# KiCad board lagom.kicad_pcb
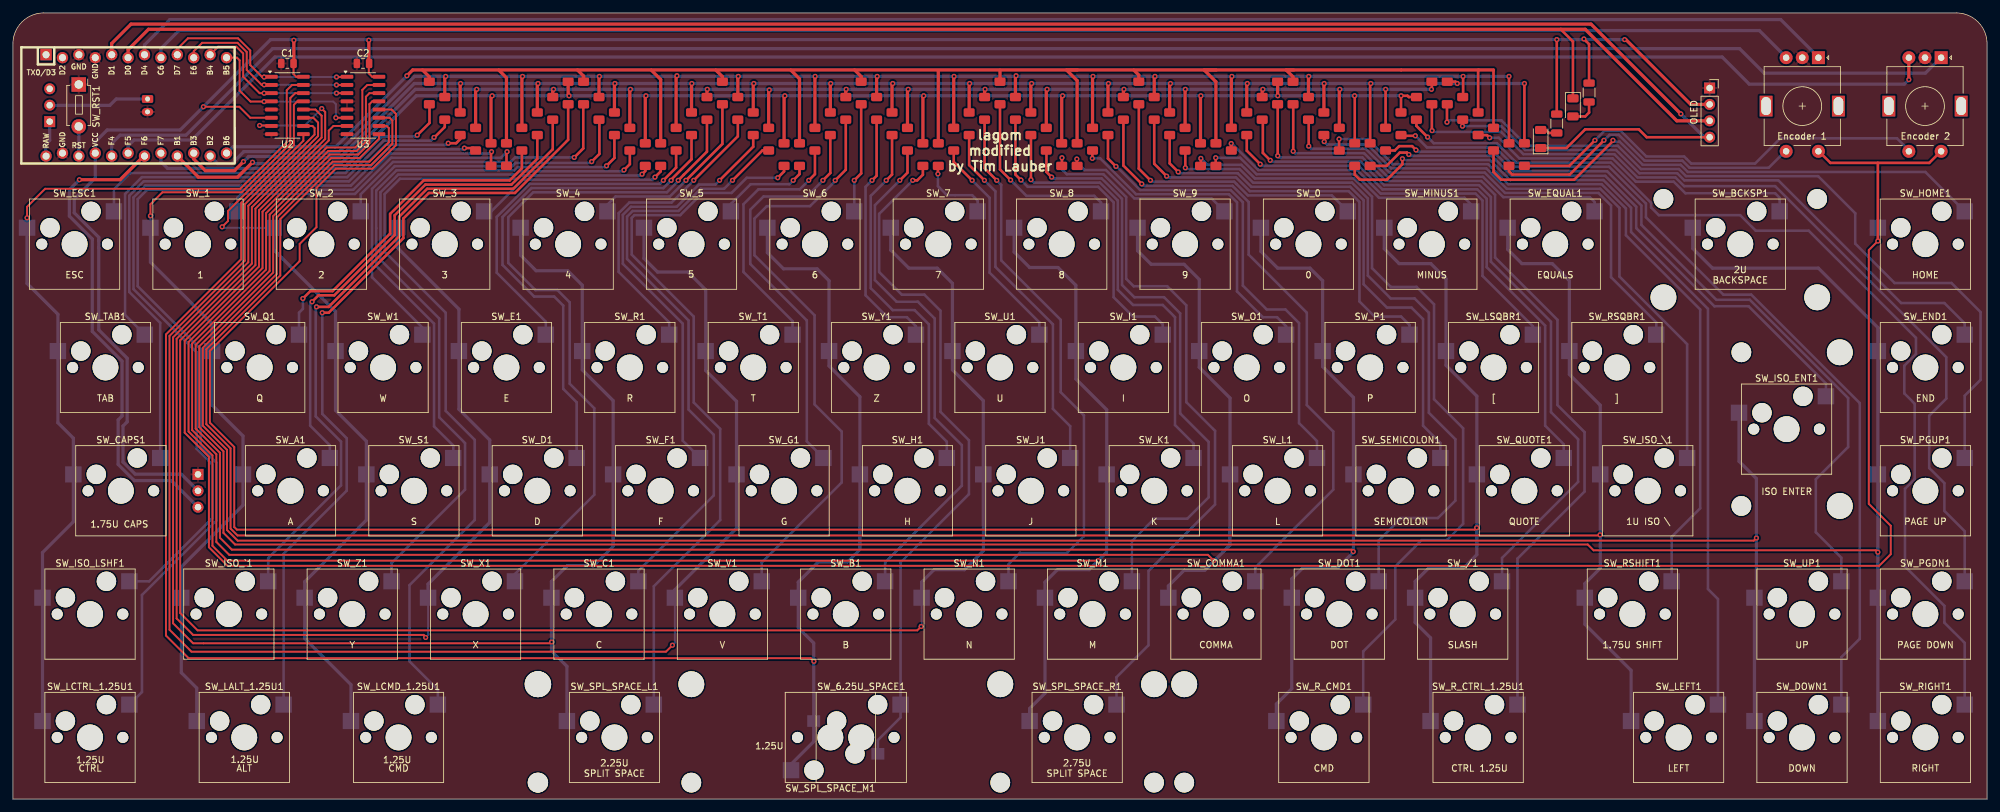
[diagram p0: board, top side]
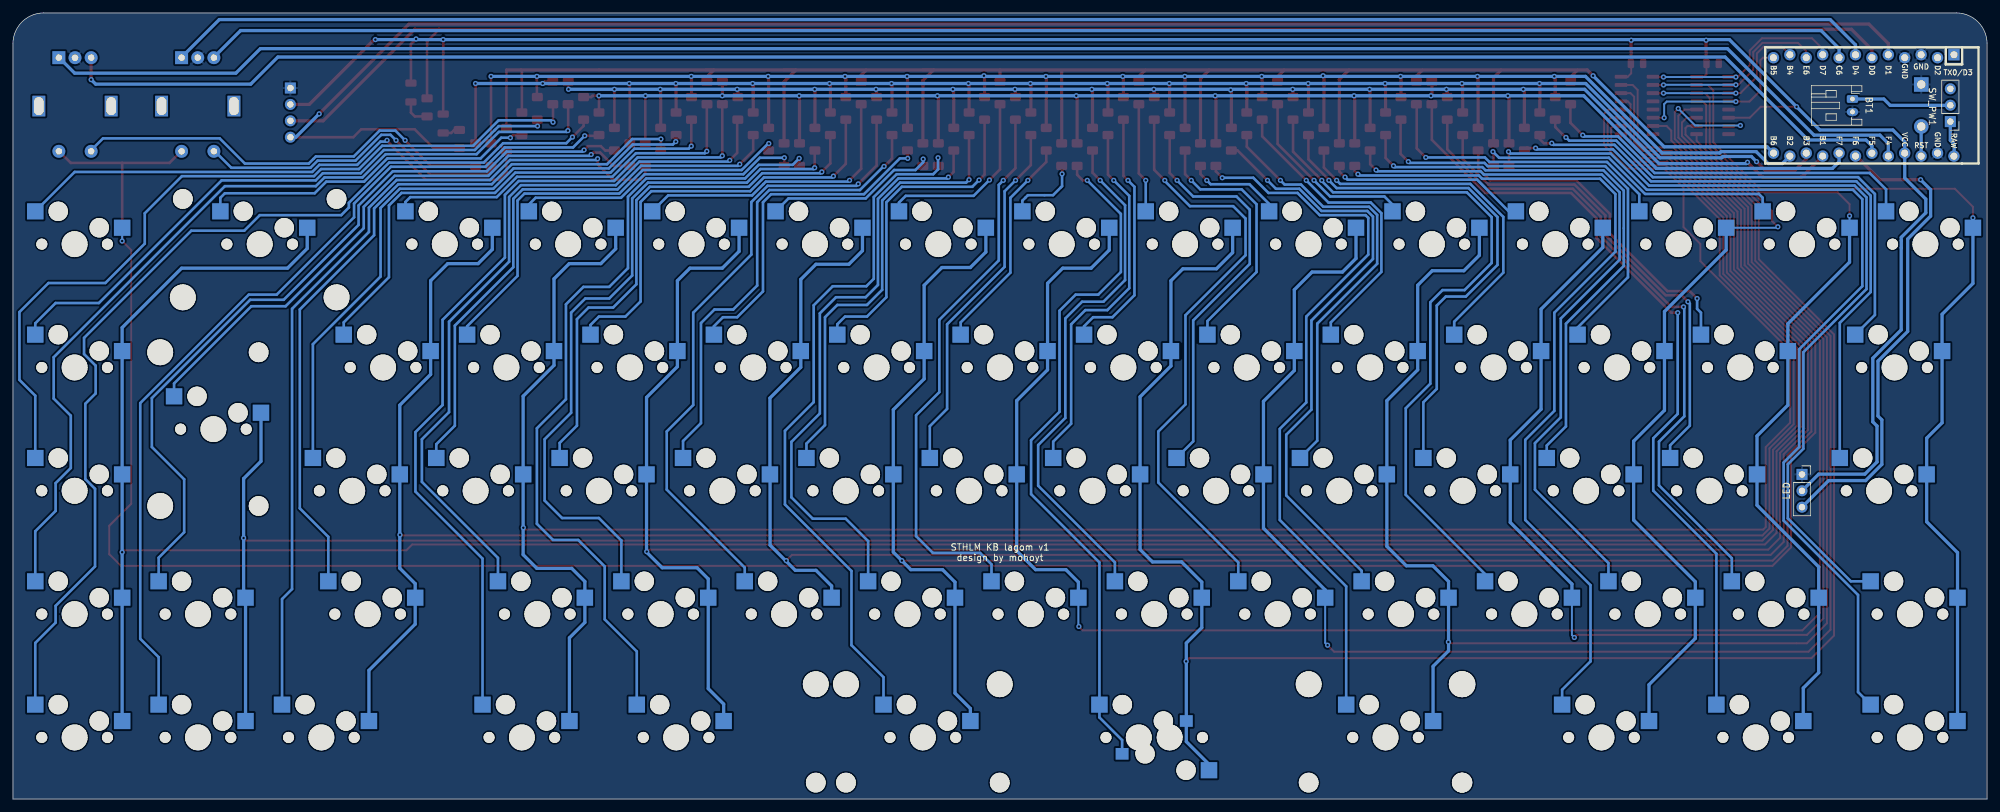
[diagram p1: board, bottom side, seen from below]

Outline 305.6 x 121.76 mm; copper layers: Top, Bottom. Coordinates in mm from the lower left corner of the outline.
Outline path: 0,116.99 0,0 305.6,0 305.6,116.99 arc(304.2,120.36) 300.82,121.76 4.77,121.76 arc(1.4,120.36) 0,116.99
Stack: Top 0.035mm / dielectric 1.51mm FR4 er 4.5 / Bottom 0.035mm

## Placement (name value [footprint] x y rotation side)
BT1  Battery_Cell  [JST_PH_S2B-PH-K_1x02_P2.00mm_Horizontal]  20.84 108.43 270 bottom
C1  0.1uF  [C_0805_2012Metric]  42.49 113.93 180 top
C2  0.1uF  [C_0805_2012Metric]  54.19 113.93 180 top
D1  1N4148  [D_MiniMELF_noSilk]  64.46 109.37 90 top
D2  1N4148  [D_MiniMELF_noSilk]  76.4 99.82 90 top
D3  1N4148  [D_MiniMELF_noSilk]  88.34 109.37 90 top
D4  1N4148  [D_MiniMELF_noSilk]  100.28 99.82 90 top
D5  1N4148  [D_MiniMELF_noSilk]  109.83 109.37 90 top
D6  1N4148  [D_MiniMELF_noSilk]  121.76 99.82 90 top
D7  1N4148  [D_MiniMELF_noSilk]  131.31 109.37 90 top
D8  1N4148  [D_MiniMELF_noSilk]  143.25 99.82 90 top
D9  1N4148  [D_MiniMELF_noSilk]  152.8 109.37 90 top
D10  1N4148  [D_MiniMELF_noSilk]  164.74 99.82 90 top
D11  1N4148  [D_MiniMELF_noSilk]  174.29 109.37 90 top
D12  1N4148  [D_MiniMELF_noSilk]  186.23 99.82 90 top
D13  1N4148  [D_MiniMELF_noSilk]  198.16 109.37 90 top
D15  1N4148  [D_MiniMELF_noSilk]  226.81 104.59 90 top
D16  1N4148  [D_MiniMELF_noSilk]  229.2 102.2 90 top
D17  1N4148  [D_MiniMELF_noSilk]  66.85 106.98 90 top
D18  1N4148  [D_MiniMELF_noSilk]  78.79 102.2 90 top
D19  1N4148  [D_MiniMELF_noSilk]  90.73 106.98 90 top
D20  1N4148  [D_MiniMELF_noSilk]  102.66 102.2 90 top
D21  1N4148  [D_MiniMELF_noSilk]  112.21 106.98 90 top
D22  1N4148  [D_MiniMELF_noSilk]  124.15 102.2 90 top
D23  1N4148  [D_MiniMELF_noSilk]  133.7 106.98 90 top
D24  1N4148  [D_MiniMELF_noSilk]  145.64 102.2 90 top
D25  1N4148  [D_MiniMELF_noSilk]  155.19 106.98 90 top
D26  1N4148  [D_MiniMELF_noSilk]  167.12 102.2 90 top
D27  1N4148  [D_MiniMELF_noSilk]  176.68 106.98 90 top
D28  1N4148  [D_MiniMELF_noSilk]  188.61 102.2 90 top
D29  1N4148  [D_MiniMELF_noSilk]  200.55 106.98 90 top
D31  1N4148  [D_MiniMELF_noSilk]  224.43 106.98 90 top
D32  1N4148  [D_MiniMELF_noSilk]  231.59 99.82 90 top
D33  1N4148  [D_MiniMELF_noSilk]  191 104.59 90 top
D34  1N4148  [D_MiniMELF_noSilk]  179.06 104.59 90 top
D35  1N4148  [D_MiniMELF_noSilk]  69.24 104.59 90 top
D36  1N4148  [D_MiniMELF_noSilk]  81.18 104.59 90 top
D37  1N4148  [D_MiniMELF_noSilk]  93.11 104.59 90 top
D38  1N4148  [D_MiniMELF_noSilk]  105.05 104.59 90 top
D39  1N4148  [D_MiniMELF_noSilk]  114.6 104.59 90 top
D40  1N4148  [D_MiniMELF_noSilk]  126.54 104.59 90 top
D41  1N4148  [D_MiniMELF_noSilk]  136.09 104.59 90 top
D42  1N4148  [D_MiniMELF_noSilk]  148.03 104.59 90 top
D43  1N4148  [D_MiniMELF_noSilk]  157.58 104.59 90 top
D44  1N4148  [D_MiniMELF_noSilk]  169.51 104.59 90 top
D45  1N4148  [D_MiniMELF_noSilk]  202.94 104.59 90 top
D46  1N4148  [D_MiniMELF_noSilk]  210.1 99.82 90 top
D47  1N4148  [D_MiniMELF_noSilk]  222.04 109.37 90 top
D48  1N4148  [D_MiniMELF_noSilk]  233.98 99.82 90 top
D49  1N4148  [D_MiniMELF_noSilk]  193.39 106.98 90 top
D50  1N4148  [D_MiniMELF_noSilk]  205.32 102.2 90 top
D51  1N4148  [D_MiniMELF_noSilk]  212.49 102.2 90 top
D52  1N4148  [D_MiniMELF_noSilk]  71.62 102.2 90 top
D53  1N4148  [D_MiniMELF_noSilk]  83.56 106.98 90 top
D54  1N4148  [D_MiniMELF_noSilk]  95.5 102.2 90 top
D55  1N4148  [D_MiniMELF_noSilk]  107.44 106.98 90 top
D56  1N4148  [D_MiniMELF_noSilk]  116.99 102.2 90 top
D57  1N4148  [D_MiniMELF_noSilk]  128.93 106.98 90 top
D58  1N4148  [D_MiniMELF_noSilk]  138.48 102.2 90 top
D59  1N4148  [D_MiniMELF_noSilk]  150.41 106.98 90 top
D60  1N4148  [D_MiniMELF_noSilk]  159.96 102.2 90 top
D61  1N4148  [D_MiniMELF_noSilk]  171.9 106.98 90 top
D62  1N4148  [D_MiniMELF_noSilk]  181.45 102.2 90 top
D63  1N4148  [D_MiniMELF_noSilk]  219.65 109.37 90 top
D64  1N4148  [D_MiniMELF_noSilk]  74.01 99.82 90 top
D65  1N4148  [D_MiniMELF_noSilk]  85.95 109.37 90 top
D66  1N4148  [D_MiniMELF_noSilk]  97.89 99.82 90 top
D67  1N4148  [D_MiniMELF_noSilk]  119.38 99.82 90 top
D68  1N4148  [D_MiniMELF_noSilk]  140.86 99.82 90 top
D69  1N4148  [D_MiniMELF_noSilk]  162.35 99.82 90 top
D70  1N4148  [D_MiniMELF_noSilk]  183.84 99.82 90 top
D71  1N4148  [D_MiniMELF_noSilk]  195.78 109.37 90 top
D72  1N4148  [D_MiniMELF_noSilk]  207.71 99.82 90 top
D73  1N4148  [D_MiniMELF_noSilk]  214.88 104.59 90 top
D74  1N4148  [D_MiniMELF_noSilk]  217.26 106.98 90 top
D75  red  [LED_1206_3216Metric]  241.49 107.13 270 top
D76  green  [LED_1206_3216Metric]  236.49 102.23 90 top
J1  Conn_01x04  [PinSocket_1x04_P2.54mm_Vertical]  262.65 110.13 0 top
J2  Conn_01x03  [PinSocket_1x03_P2.54mm_Vertical]  28.65 50.29 180 bottom
R1  680R  [R_1206_3216Metric]  238.99 104.63 270 top
R2  680R  [R_1206_3216Metric]  243.99 109.43 270 top
SW83  RotaryEncoder_Switch  [RotaryEncoder_Alps_EC11E-Switch_Vertical_H20mm]  279.49 114.83 270 top
SW84  RotaryEncoder_Switch  [RotaryEncoder_Alps_EC11E-Switch_Vertical_H20mm]  298.49 114.83 270 top
SW_0  KEYSW  [SW_Kailh_HotSwap_1.00u_PCB]  203.09 91.03 0 top
SW_1  KEYSW  [SW_Kailh_HotSwap_1.00u_PCB]  31.19 91.03 0 top
SW_2  KEYSW  [SW_Kailh_HotSwap_1.00u_PCB]  50.29 91.03 0 top
SW_3  KEYSW  [SW_Kailh_HotSwap_1.00u_PCB]  69.39 91.03 0 top
SW_4  KEYSW  [SW_Kailh_HotSwap_1.00u_PCB]  88.49 91.03 0 top
SW_5  KEYSW  [SW_Kailh_HotSwap_1.00u_PCB]  107.59 91.03 0 top
SW_6  KEYSW  [SW_Kailh_HotSwap_1.00u_PCB]  126.69 91.03 0 top
SW_6.25U_SPACE1  KEYSW  [SW_Kailh_HotSwap_6.25u_PCB_reverse]  133.86 14.63 0 top
SW_7  KEYSW  [SW_Kailh_HotSwap_1.00u_PCB]  145.79 91.03 0 top
SW_8  KEYSW  [SW_Kailh_HotSwap_1.00u_PCB]  164.89 91.03 0 top
SW_9  KEYSW  [SW_Kailh_HotSwap_1.00u_PCB]  183.99 91.03 0 top
SW_/1  KEYSW  [SW_Kailh_HotSwap_1.00u_PCB]  226.97 33.73 0 top
SW_A1  KEYSW  [SW_Kailh_HotSwap_1.00u_PCB]  45.52 52.83 0 top
SW_B1  KEYSW  [SW_Kailh_HotSwap_1.00u_PCB]  131.47 33.73 0 top
SW_BCKSP1  KEYSW  [SW_Kailh_HotSwap_2.00u_PCB]  269.94 91.03 0 top
SW_C1  KEYSW  [SW_Kailh_HotSwap_1.00u_PCB]  93.27 33.73 0 top
SW_CAPS1  KEYSW  [SW_Kailh_HotSwap_1.75u_PCB]  19.25 52.83 0 top
SW_COMMA1  KEYSW  [SW_Kailh_HotSwap_1.00u_PCB]  188.77 33.73 0 top
SW_D1  KEYSW  [SW_Kailh_HotSwap_1.00u_PCB]  83.72 52.83 0 top
SW_DOT1  KEYSW  [SW_Kailh_HotSwap_1.00u_PCB]  207.87 33.73 0 top
SW_DOWN1  KEYSW  [SW_Kailh_HotSwap_1.00u_PCB]  279.49 14.63 0 top
SW_E1  KEYSW  [SW_Kailh_HotSwap_1.00u_PCB]  78.94 71.93 0 top
SW_END1  KEYSW  [SW_Kailh_HotSwap_1.00u_PCB]  298.59 71.93 0 top
SW_EQUAL1  KEYSW  [SW_Kailh_HotSwap_1.00u_PCB]  241.29 91.03 0 top
SW_ESC1  KEYSW  [SW_Kailh_HotSwap_1.00u_PCB]  12.09 91.03 0 top
SW_F1  KEYSW  [SW_Kailh_HotSwap_1.00u_PCB]  102.81 52.83 0 top
SW_G1  KEYSW  [SW_Kailh_HotSwap_1.00u_PCB]  121.92 52.83 0 top
SW_H1  KEYSW  [SW_Kailh_HotSwap_1.00u_PCB]  141.02 52.83 0 top
SW_HOME1  KEYSW  [SW_Kailh_HotSwap_1.00u_PCB]  298.59 91.03 0 top
SW_I1  KEYSW  [SW_Kailh_HotSwap_1.00u_PCB]  174.44 71.93 0 top
SW_ISO_\1  KEYSW  [SW_Kailh_HotSwap_1.00u_PCB]  255.62 52.83 0 top
SW_ISO_`1  KEYSW  [SW_Kailh_HotSwap_1.00u_PCB]  35.96 33.73 0 top
SW_ISO_ENT1  KEYSW  [SW_Kailh_HotSwap_ISOEnter_PCB]  277.1 62.38 0 top
SW_ISO_LSHF1  KEYSW  [SW_Kailh_HotSwap_1.25u_PCB]  14.48 33.73 0 top
SW_J1  KEYSW  [SW_Kailh_HotSwap_1.00u_PCB]  160.12 52.83 0 top
SW_K1  KEYSW  [SW_Kailh_HotSwap_1.00u_PCB]  179.22 52.83 0 top
SW_L1  KEYSW  [SW_Kailh_HotSwap_1.00u_PCB]  198.31 52.83 0 top
SW_LALT_1.25U1  KEYSW  [SW_Kailh_HotSwap_1.25u_PCB]  38.35 14.63 0 top
SW_LCMD_1.25U1  KEYSW  [SW_Kailh_HotSwap_1.25u_PCB]  62.23 14.63 0 top
SW_LCTRL_1.25U1  KEYSW  [SW_Kailh_HotSwap_1.25u_PCB]  14.48 14.63 0 top
SW_LEFT1  KEYSW  [SW_Kailh_HotSwap_1.00u_PCB]  260.39 14.63 0 top
SW_LSQBR1  KEYSW  [SW_Kailh_HotSwap_1.00u_PCB]  231.74 71.93 0 top
SW_M1  KEYSW  [SW_Kailh_HotSwap_1.00u_PCB]  169.67 33.73 0 top
SW_MINUS1  KEYSW  [SW_Kailh_HotSwap_1.00u_PCB]  222.19 91.03 0 top
SW_N1  KEYSW  [SW_Kailh_HotSwap_1.00u_PCB]  150.56 33.73 0 top
SW_O1  KEYSW  [SW_Kailh_HotSwap_1.00u_PCB]  193.54 71.93 0 top
SW_P1  KEYSW  [SW_Kailh_HotSwap_1.00u_PCB]  212.64 71.93 0 top
SW_PGDN1  KEYSW  [SW_Kailh_HotSwap_1.00u_PCB]  298.59 33.73 0 top
SW_PGUP1  KEYSW  [SW_Kailh_HotSwap_1.00u_PCB]  298.59 52.83 0 top
SW_PW1  SW_SPDT  [PinHeader_1x03_P2.54mm_Vertical]  5.69 104.93 0 bottom
SW_Q1  KEYSW  [SW_Kailh_HotSwap_1.00u_PCB]  40.74 71.93 0 top
SW_QUOTE1  KEYSW  [SW_Kailh_HotSwap_1.00u_PCB]  236.51 52.83 0 top
SW_R1  KEYSW  [SW_Kailh_HotSwap_1.00u_PCB]  98.04 71.93 0 top
SW_R_CMD1  KEYSW  [SW_Kailh_HotSwap_1.25u_PCB]  205.48 14.63 0 top
SW_R_CTRL_1.25U1  KEYSW  [SW_Kailh_HotSwap_1.25u_PCB]  229.35 14.63 0 top
SW_RIGHT1  KEYSW  [SW_Kailh_HotSwap_1.00u_PCB]  298.59 14.63 0 top
SW_RSHIFT1  KEYSW  [SW_Kailh_HotSwap_1.75u_PCB]  253.23 33.73 0 top
SW_RSQBR1  KEYSW  [SW_Kailh_HotSwap_1.00u_PCB]  250.84 71.93 0 top
SW_RST1  KEYSW  [SW_PUSH_1P1T_6x3.5mm_H5.0_APEM_MJTP1250]  10.19 110.68 270 top
SW_S1  KEYSW  [SW_Kailh_HotSwap_1.00u_PCB]  64.62 52.83 0 top
SW_SEMICOLON1  KEYSW  [SW_Kailh_HotSwap_1.00u_PCB]  217.42 52.83 0 top
SW_SPL_SPACE_L1  KEYSW  [SW_Kailh_HotSwap_2.25u_PCB_reverse]  95.66 14.63 0 top
SW_SPL_SPACE_M1  KEYSW  [SW_Kailh_HotSwap_1.25u_PCB#2]  124 4.47 180 top
SW_SPL_SPACE_R1  KEYSW  [SW_Kailh_HotSwap_2.75u_PCB_reverse]  167.28 14.63 0 top
SW_T1  KEYSW  [SW_Kailh_HotSwap_1.00u_PCB]  117.14 71.93 0 top
SW_TAB1  KEYSW  [SW_Kailh_HotSwap_1.50u_PCB]  16.87 71.93 0 top
SW_U1  KEYSW  [SW_Kailh_HotSwap_1.00u_PCB]  155.34 71.93 0 top
SW_UP1  KEYSW  [SW_Kailh_HotSwap_1.00u_PCB]  279.49 33.73 0 top
SW_V1  KEYSW  [SW_Kailh_HotSwap_1.00u_PCB]  112.37 33.73 0 top
SW_W1  KEYSW  [SW_Kailh_HotSwap_1.00u_PCB]  59.84 71.93 0 top
SW_X1  KEYSW  [SW_Kailh_HotSwap_1.00u_PCB]  74.16 33.73 0 top
SW_Y1  KEYSW  [SW_Kailh_HotSwap_1.00u_PCB]  136.24 71.93 0 top
SW_Z1  KEYSW  [SW_Kailh_HotSwap_1.00u_PCB]  55.07 33.73 0 top
U1  ProMicro  [ArduinoProMicro-ZigZag]  19.1 107.44 0 bottom
U2  74HC138  [SOIC-16_3.9x9.9mm_P1.27mm]  42.49 107.43 0 top
U3  74HC138  [SOIC-16_3.9x9.9mm_P1.27mm]  54.19 107.43 0 top

## Library data of the parts
BT1 = -: Description: Single-cell battery
C1 C2 = -: ki_fp_filters: C_*
D1-D13 D15-D29 D31-D74 = -: ki_fp_filters: TO-???* *_Diode_* *SingleDiode* D_*
D75 D76 = -: Description: Light emitting diode, small symbol; ki_fp_filters: LED* LED_SMD:* LED_THT:*
J1 J2 = -: ki_fp_filters: Connector*:*_1x??_*
R1 R2 = -: Description: Resistor, small symbol; ki_fp_filters: R_*
SW83 SW84 = -: ki_fp_filters: RotaryEncoder*Switch*
SW_0-SW_6 SW_6.25U_SPACE1 SW_7-SW_9 SW_/1 SW_A1 SW_B1 SW_BCKSP1 SW_C1 SW_CAPS1 SW_COMMA1 SW_D1 SW_DOT1 SW_DOWN1 SW_E1 SW_END1 SW_EQUAL1 SW_ESC1 SW_F1 SW_G1 SW_H1 SW_HOME1 SW_I1 SW_ISO_\1 SW_ISO_`1 SW_ISO_ENT1 SW_ISO_LSHF1 SW_J1 SW_K1 SW_L1 SW_LALT_1.25U1 SW_LCMD_1.25U1 SW_LCTRL_1.25U1 SW_LEFT1 SW_LSQBR1 SW_M1 SW_MINUS1 SW_N1 SW_O1 SW_P1 SW_PGDN1 SW_PGUP1 SW_Q1 SW_QUOTE1 SW_R1 SW_R_CMD1 SW_R_CTRL_1.25U1 SW_RIGHT1 SW_RSHIFT1 SW_RSQBR1 SW_RST1 SW_S1 SW_SEMICOLON1 SW_SPL_SPACE_L1 SW_SPL_SPACE_M1 SW_SPL_SPACE_R1 SW_T1 SW_TAB1 SW_U1 SW_UP1 SW_V1 SW_W1 SW_X1 SW_Y1 SW_Z1 = -: Description: Push button switch, generic, two pins
SW_PW1 = -: Description: Switch, single pole double throw
U2 U3 = -: Datasheet: http://www.ti.com/lit/ds/symlink/cd74hc238.pdf; Description: 3-to-8 line decoder/multiplexer inverting, DIP-16/SOIC-16/SSOP-16; ki_fp_filters: DIP*W7.62mm* SOIC*3.9x9.9mm*P1.27mm* SSOP*5.3x6.2mm*P0.65mm*

## Footprints (pads in the part's own frame, mm; a bottom-side part is the same pattern mirrored in y, then rotated)
ArduinoProMicro-ZigZag
  rect 1.753x1.753 hole 1.092: 1(-13.97,-7.849)
  round 1.753 hole 1.092: 2(-11.43,-7.391) 3(-8.89,-7.849) 4(-6.35,-7.391) 5(-3.81,-7.849) 6(-1.27,-7.391) 7(1.27,-7.849) 8(3.81,-7.391) 9(6.35,-7.849) 10(8.89,-7.391) 11(11.43,-7.849) 12(13.97,-7.391) 13(13.97,7.391) 14(11.43,7.849) 15(8.89,7.391) 16(6.35,7.849) 17(3.81,7.391) 18(1.27,7.849) 19(-1.27,7.391) 20(-3.81,7.849) 21(-6.35,7.391) 22(-8.89,7.849) 23(-11.43,7.391) 24(-13.97,7.849)
C_0805_2012Metric
  rrect 1x1.45 smd: 1(-0.95,0) 2(0.95,0)
D_MiniMELF_noSilk
  rrect 1.3x1.7 smd: 1(-1.75,0) 2(1.75,0)
JST_PH_S2B-PH-K_1x02_P2.00mm_Horizontal
  rrect 1.2x1.75 hole 0.75: 1(0,0)
  oval 1.2x1.75 hole 0.75: 2(2,0)
LED_1206_3216Metric
  rrect 1.25x1.75 smd: 1(-1.4,0) 2(1.4,0)
PinHeader_1x03_P2.54mm_Vertical
  rect 1.7x1.7 hole 1: 1(0,0)
  oval 1.7x1.7 hole 1: 2(0,-2.54) 3(0,-5.08)
PinSocket_1x03_P2.54mm_Vertical
  rect 1.7x1.7 hole 1: 1(0,0)
  oval 1.7x1.7 hole 1: 2(0,-2.54) 3(0,-5.08)
PinSocket_1x04_P2.54mm_Vertical
  rect 1.7x1.7 hole 1: 1(0,0)
  oval 1.7x1.7 hole 1: 2(0,-2.54) 3(0,-5.08) 4(0,-7.62)
R_1206_3216Metric
  rrect 1.125x1.75 smd: 1(-1.462,0) 2(1.462,0)
RotaryEncoder_Alps_EC11E-Switch_Vertical_H20mm
  rect 2x2 hole 1: A(0,0)
  round 2 hole 1: B(0,-5) C(0,-2.5) S1(14.5,-5) S2(14.5,0)
  rect 3.2x2 hole 2.8x1.5: MP(7.5,3.1) MP(7.5,-8.1)
SOIC-16_3.9x9.9mm_P1.27mm
  rrect 1.95x0.6 smd: 1(-2.475,4.445) 2(-2.475,3.175) 3(-2.475,1.905) 4(-2.475,0.635) 5(-2.475,-0.635) 6(-2.475,-1.905) 7(-2.475,-3.175) 8(-2.475,-4.445) 9(2.475,-4.445) 10(2.475,-3.175) 11(2.475,-1.905) 12(2.475,-0.635) 13(2.475,0.635) 14(2.475,1.905) 15(2.475,3.175) 16(2.475,4.445)
SW_Kailh_HotSwap_1.00u_PCB
  round 1.7 hole 1.7 unplated: (-7.62,-5.08) (2.54,-5.08)
  round 3 hole 3 unplated: (-6.35,-2.54) (0,0)
  round 4 hole 4 unplated: (-2.54,-5.08)
  rect 2.55x2.5 smd far side: 1(3.55,0) 2(-9.9,-2.54)
SW_Kailh_HotSwap_1.25u_PCB
  round 1.7 hole 1.7 unplated: (-7.62,-5.08) (2.54,-5.08)
  round 3 hole 3 unplated: (-6.35,-2.54) (0,0)
  round 4 hole 4 unplated: (-2.54,-5.08)
  rect 2.55x2.5 smd far side: 1(3.55,0) 2(-9.9,-2.54)
SW_Kailh_HotSwap_1.25u_PCB#2
  round 1.7 hole 1.7 unplated: (-7.62,-5.08) (2.54,-5.08)
  round 3 hole 3 unplated: (-6.35,-2.54) (0,0)
  round 4 hole 4 unplated: (-2.54,-5.08)
  rect 2.55x2.5 smd far side: 1(3.55,0)
  rect 2x1.8 smd far side: 2(-9.9,-2.54)
SW_Kailh_HotSwap_1.50u_PCB
  round 1.7 hole 1.7 unplated: (-7.62,-5.08) (2.54,-5.08)
  round 3 hole 3 unplated: (-6.35,-2.54) (0,0)
  round 4 hole 4 unplated: (-2.54,-5.08)
  rect 2.55x2.5 smd far side: 1(3.55,0) 2(-9.9,-2.54)
SW_Kailh_HotSwap_1.75u_PCB
  round 1.7 hole 1.7 unplated: (-7.62,-5.08) (2.54,-5.08)
  round 3 hole 3 unplated: (-6.35,-2.54) (0,0)
  round 4 hole 4 unplated: (-2.54,-5.08)
  rect 2.55x2.5 smd far side: 1(3.55,0) 2(-9.9,-2.54)
SW_Kailh_HotSwap_2.00u_PCB
  round 3.05 hole 3.05 unplated: (-14.44,1.92) (9.36,1.92)
  round 4 hole 4 unplated: (-14.44,-13.32) (-2.54,-5.08) (9.36,-13.32)
  round 1.7 hole 1.7 unplated: (-7.62,-5.08) (2.54,-5.08)
  round 3 hole 3 unplated: (-6.35,-2.54) (0,0)
  rect 2.55x2.5 smd far side: 1(3.55,0) 2(-9.9,-2.54)
SW_Kailh_HotSwap_2.25u_PCB_reverse
  round 4 hole 4 unplated: (-14.44,3.16) (-2.54,-5.08) (9.36,3.16)
  round 3.05 hole 3.05 unplated: (-14.44,-12.08) (9.36,-12.08)
  round 1.7 hole 1.7 unplated: (-7.62,-5.08) (2.54,-5.08)
  round 3 hole 3 unplated: (-6.35,-2.54) (0,0)
  rect 2.55x2.5 smd far side: 1(3.55,0) 2(-9.9,-2.54)
SW_Kailh_HotSwap_2.75u_PCB_reverse
  round 4 hole 4 unplated: (-14.44,3.16) (-2.54,-5.08) (9.36,3.16)
  round 3.05 hole 3.05 unplated: (-14.44,-12.08) (9.36,-12.08)
  round 1.7 hole 1.7 unplated: (-7.62,-5.08) (2.54,-5.08)
  round 3 hole 3 unplated: (-6.35,-2.54) (0,0)
  rect 2.55x2.5 smd far side: 1(3.55,0) 2(-9.9,-2.54)
SW_Kailh_HotSwap_6.25u_PCB_reverse
  round 4 hole 4 unplated: (-52.54,3.16) (-2.54,-5.08) (47.46,3.16)
  round 3.05 hole 3.05 unplated: (-52.54,-12.08) (47.46,-12.08)
  round 1.7 hole 1.7 unplated: (-7.62,-5.08) (2.54,-5.08)
  round 3 hole 3 unplated: (-6.35,-2.54) (0,0)
  rect 2.55x2.5 smd far side: 1(3.55,0)
  rect 2x1.8 smd far side: 2(-9.9,-2.54)
SW_Kailh_HotSwap_ISOEnter_PCB
  round 3.05 hole 3.05 unplated: (-9.54,6.82) (-9.54,-16.98)
  round 1.7 hole 1.7 unplated: (-7.62,-5.08) (2.54,-5.08)
  round 3 hole 3 unplated: (-6.35,-2.54) (0,0)
  round 4 hole 4 unplated: (-2.54,-5.08) (5.7,6.82) (5.7,-16.98)
  rect 2.55x2.5 smd far side: 1(3.55,0) 2(-9.9,-2.54)
SW_PUSH_1P1T_6x3.5mm_H5.0_APEM_MJTP1250
  rect 2.25x2.25 hole 1.3: 1(0,0)
  round 2.25 hole 1.3: 2(6.5,0)

## Nets
/Vbat: SW_PW1.1 U1.24
GND: BT1.2 C1.2 C2.2 J1.1 J2.1 SW83.C SW84.C SW_RST1.1 U1.3 U1.4 U1.23 U2.5 U2.8 U3.4 U3.5 U3.8
VCC: C1.1 C2.1 J1.2 J2.2 R1.1 R2.1 U1.21 U2.6 U2.16 U3.16
/rst: SW_RST1.2 U1.22
col0: SW_CAPS1.2 SW_ESC1.2 SW_ISO_LSHF1.2 SW_LCTRL_1.25U1.2 SW_TAB1.2 U2.15
col1: SW_1.2 SW_A1.2 SW_ISO_`1.2 SW_LALT_1.25U1.2 SW_Q1.2 U2.14
col2: SW_2.2 SW_LCMD_1.25U1.2 SW_S1.2 SW_W1.2 SW_Z1.2 U2.13
col3: SW_3.2 SW_D1.2 SW_E1.2 SW_X1.2 U2.12
col4: SW_4.2 SW_C1.2 SW_F1.2 SW_R1.2 SW_SPL_SPACE_L1.2 U2.11
col5: SW_5.2 SW_G1.2 SW_T1.2 SW_V1.2 U2.10
col6: SW_6.2 SW_6.25U_SPACE1.2 SW_B1.2 SW_H1.2 SW_SPL_SPACE_M1.1 SW_Y1.2 U2.9
col7: SW_7.2 SW_J1.2 SW_N1.2 SW_U1.2 U2.7
col8: SW_8.2 SW_I1.2 SW_K1.2 SW_M1.2 SW_SPL_SPACE_R1.2 U3.15
col9: SW_9.2 SW_COMMA1.2 SW_L1.2 SW_O1.2 U3.14
col10: SW_0.2 SW_DOT1.2 SW_P1.2 SW_R_CMD1.2 SW_SEMICOLON1.2 U3.13
col11: SW_/1.2 SW_LSQBR1.2 SW_MINUS1.2 SW_QUOTE1.2 SW_R_CTRL_1.25U1.2 U3.12
col12: SW_EQUAL1.2 SW_ISO_\1.2 SW_LEFT1.2 SW_RSHIFT1.2 SW_RSQBR1.2 U3.11
col13: SW_DOWN1.2 SW_ISO_ENT1.2 SW_UP1.2 U3.10
col14: SW_BCKSP1.2 SW_END1.2 SW_PGDN1.2 SW_PGUP1.2 SW_RIGHT1.2 U3.9
encA: SW83.A U1.7
encB: SW83.B U1.8
encC: SW84.A U1.20
encD: SW84.B U1.19
LED: J2.3 U1.18
mux0: U1.9 U2.1 U3.1
mux1: U1.10 U2.2 U3.2
mux2: U1.11 U2.3 U3.3
mux3: U1.12 U2.4 U3.6
RotA: D32.1 SW83.S1
RotB: SW83.S2 SW84.S2 SW_HOME1.2 U3.7
RotC: D48.1 SW84.S1
row0: D1.2 D2.2 D3.2 D4.2 D5.2 D6.2 D7.2 D8.2 D9.2 D10.2 D11.2 D12.2 D13.2 D15.2 D16.2 U1.13
row1: D17.2 D18.2 D19.2 D20.2 D21.2 D22.2 D23.2 D24.2 D25.2 D26.2 D27.2 D28.2 D29.2 D31.2 D32.2 U1.14
row2: D33.2 D34.2 D35.2 D36.2 D37.2 D38.2 D39.2 D40.2 D41.2 D42.2 D43.2 D44.2 D45.2 D46.2 D47.2 D48.2 U1.15
row3: D49.2 D50.2 D51.2 D52.2 D53.2 D54.2 D55.2 D56.2 D57.2 D58.2 D59.2 D60.2 D61.2 D62.2 D63.2 U1.16
row4: D64.2 D65.2 D66.2 D67.2 D68.2 D69.2 D70.2 D71.2 D72.2 D73.2 D74.2 U1.17
SCL: D75.1 J1.3 U1.6
SDA: D76.1 J1.4 U1.5
Net-(BT1-+): BT1.1 SW_PW1.2
Net-(D1-K): D1.1 SW_ESC1.1
Net-(D2-K): D2.1 SW_1.1
Net-(D3-K): D3.1 SW_2.1
Net-(D4-K): D4.1 SW_3.1
Net-(D5-K): D5.1 SW_4.1
Net-(D6-K): D6.1 SW_5.1
Net-(D7-K): D7.1 SW_6.1
Net-(D8-K): D8.1 SW_7.1
Net-(D9-K): D9.1 SW_8.1
Net-(D10-K): D10.1 SW_9.1
Net-(D11-K): D11.1 SW_0.1
Net-(D12-K): D12.1 SW_MINUS1.1
Net-(D13-K): D13.1 SW_EQUAL1.1
Net-(D15-K): D15.1 SW_BCKSP1.1
Net-(D16-K): D16.1 SW_HOME1.1
Net-(D17-K): D17.1 SW_TAB1.1
Net-(D18-K): D18.1 SW_Q1.1
Net-(D19-K): D19.1 SW_W1.1
Net-(D20-K): D20.1 SW_E1.1
Net-(D21-K): D21.1 SW_R1.1
Net-(D22-K): D22.1 SW_T1.1
Net-(D23-K): D23.1 SW_Y1.1
Net-(D24-K): D24.1 SW_U1.1
Net-(D25-K): D25.1 SW_I1.1
Net-(D26-K): D26.1 SW_O1.1
Net-(D27-K): D27.1 SW_P1.1
Net-(D28-K): D28.1 SW_LSQBR1.1
Net-(D29-K): D29.1 SW_RSQBR1.1
Net-(D31-K): D31.1 SW_END1.1
Net-(D33-K): D33.1 SW_QUOTE1.1
Net-(D34-K): D34.1 SW_SEMICOLON1.1
Net-(D35-K): D35.1 SW_CAPS1.1
Net-(D36-K): D36.1 SW_A1.1
Net-(D37-K): D37.1 SW_S1.1
Net-(D38-K): D38.1 SW_D1.1
Net-(D39-K): D39.1 SW_F1.1
Net-(D40-K): D40.1 SW_G1.1
Net-(D41-K): D41.1 SW_H1.1
Net-(D42-K): D42.1 SW_J1.1
Net-(D43-K): D43.1 SW_K1.1
Net-(D44-K): D44.1 SW_L1.1
Net-(D45-K): D45.1 SW_ISO_\1.1
Net-(D46-K): D46.1 SW_ISO_ENT1.1
Net-(D47-K): D47.1 SW_PGUP1.1
Net-(D49-K): D49.1 SW_/1.1
Net-(D50-K): D50.1 SW_RSHIFT1.1
Net-(D51-K): D51.1 SW_UP1.1
Net-(D52-K): D52.1 SW_ISO_LSHF1.1
Net-(D53-K): D53.1 SW_ISO_`1.1
Net-(D54-K): D54.1 SW_Z1.1
Net-(D55-K): D55.1 SW_X1.1
Net-(D56-K): D56.1 SW_C1.1
Net-(D57-K): D57.1 SW_V1.1
Net-(D58-K): D58.1 SW_B1.1
Net-(D59-K): D59.1 SW_N1.1
Net-(D60-K): D60.1 SW_M1.1
Net-(D61-K): D61.1 SW_COMMA1.1
Net-(D62-K): D62.1 SW_DOT1.1
Net-(D63-K): D63.1 SW_PGDN1.1
Net-(D64-K): D64.1 SW_LCTRL_1.25U1.1
Net-(D65-K): D65.1 SW_LALT_1.25U1.1
Net-(D66-K): D66.1 SW_LCMD_1.25U1.1
Net-(D67-K): D67.1 SW_SPL_SPACE_L1.1
Net-(D68-K): D68.1 SW_6.25U_SPACE1.1 SW_SPL_SPACE_M1.2
Net-(D69-K): D69.1 SW_SPL_SPACE_R1.1
Net-(D70-K): D70.1 SW_R_CMD1.1
Net-(D71-K): D71.1 SW_R_CTRL_1.25U1.1
Net-(D72-K): D72.1 SW_LEFT1.1
Net-(D73-K): D73.1 SW_DOWN1.1
Net-(D74-K): D74.1 SW_RIGHT1.1
Net-(D75-A): D75.2 R2.2
Net-(D76-A): D76.2 R1.2

Pads without a net: SW83 MP; SW84 MP; SW_PW1 3; U1 1 2

## Via types
v1: diameter 0.8, hole 0.4, Top to Bottom, 166 vias
